# KiCad board H3.kicad_pcb
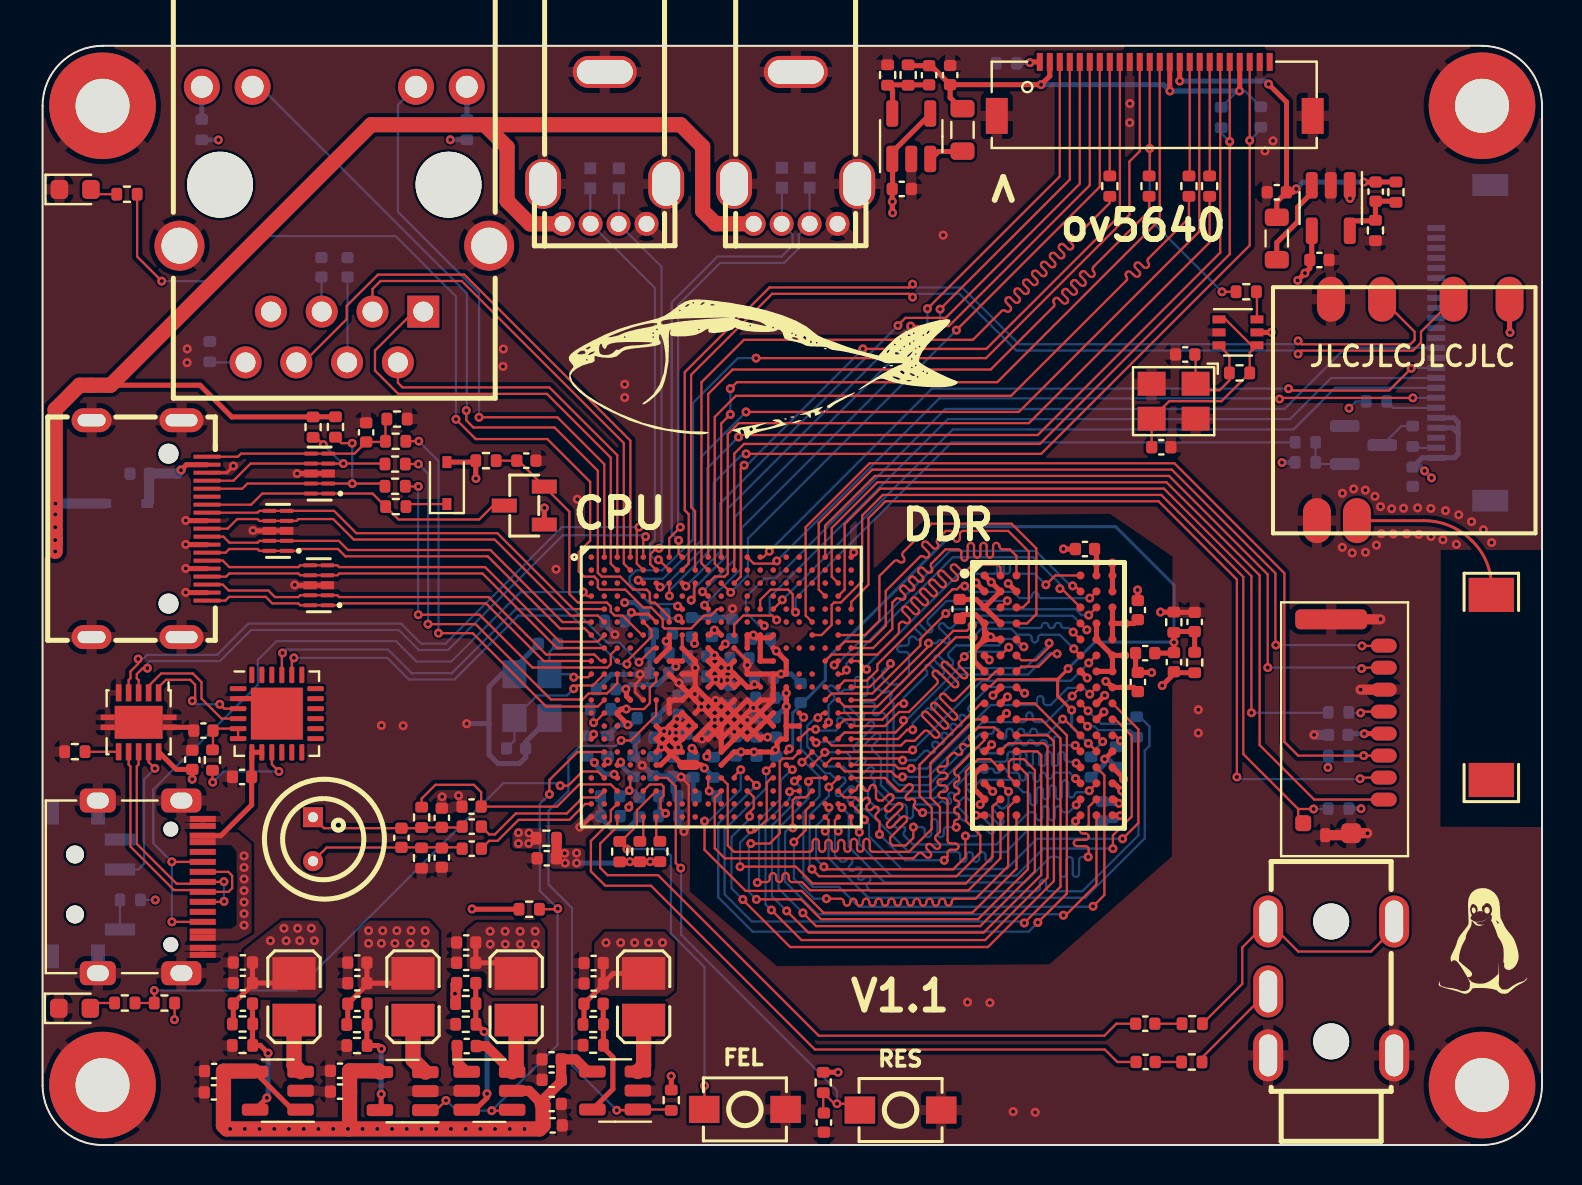
[diagram p0: board, top side]
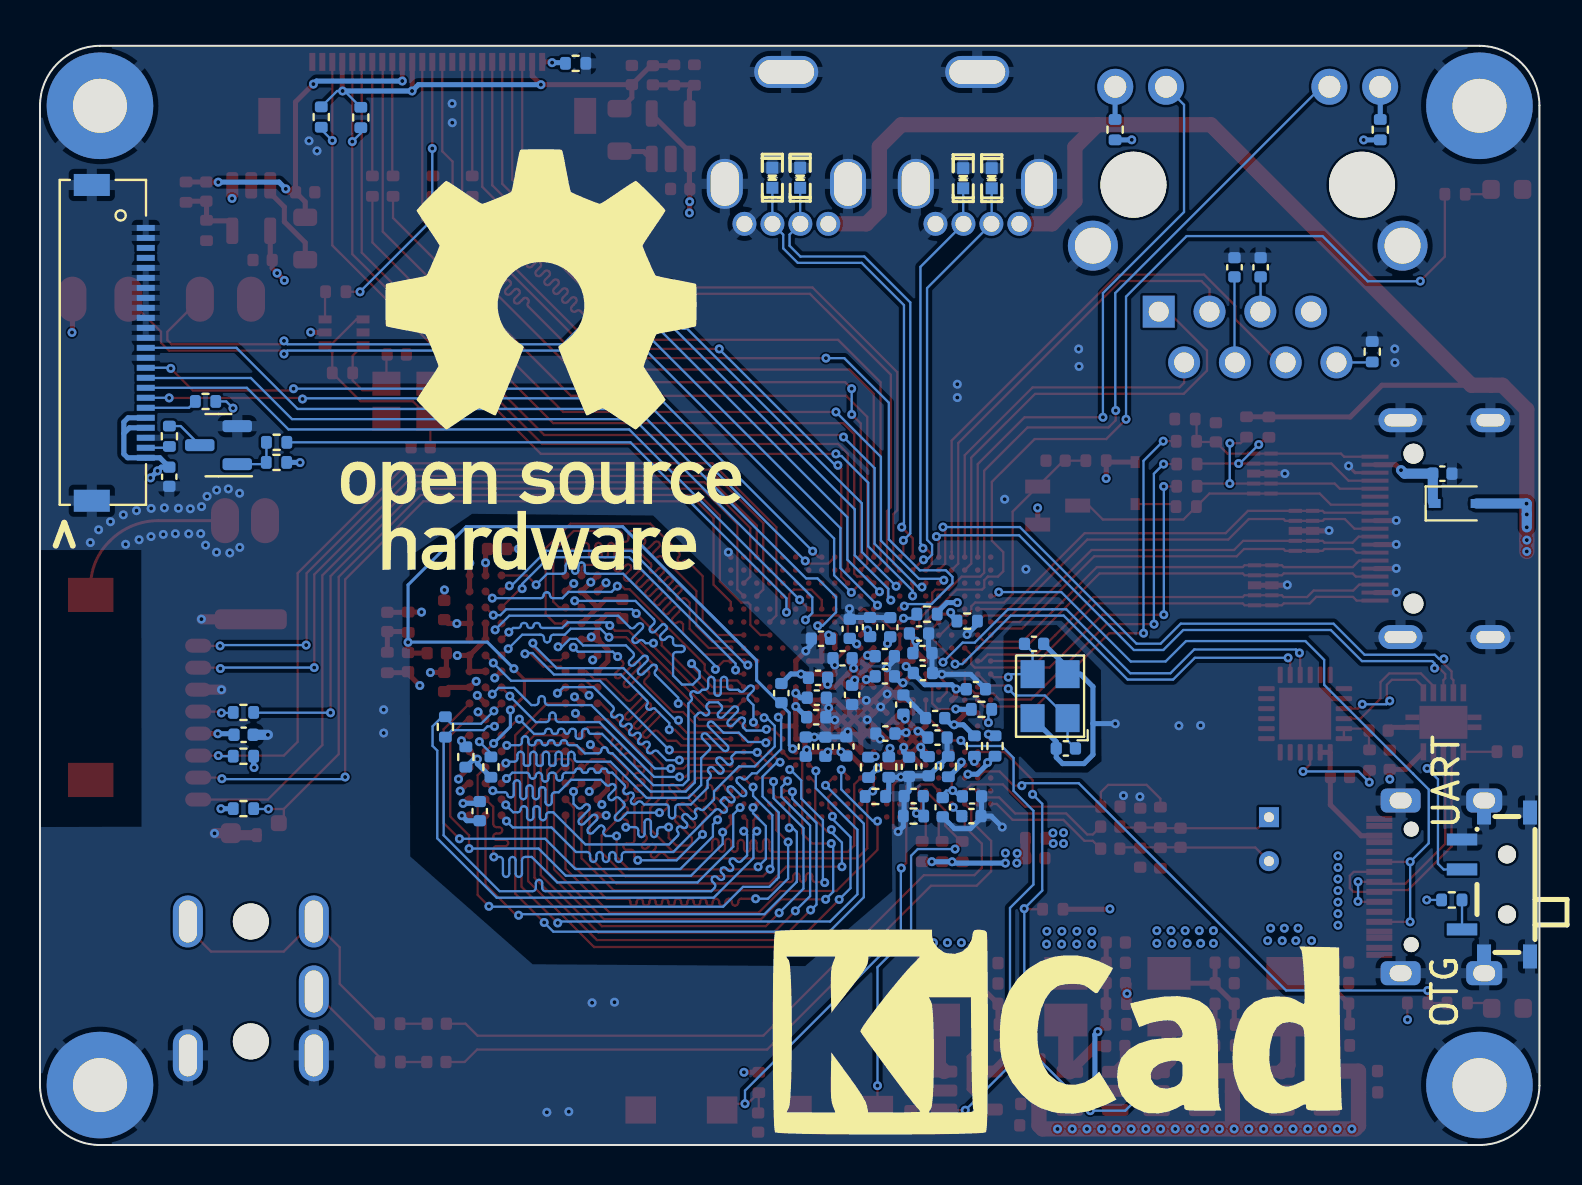
[diagram p1: board, bottom side, seen from below]

Outline 75 x 55 mm; copper layers: Top, GND.Cu (plane), POWER.Cu (plane), Bottom. Coordinates in mm from the lower left corner of the outline.
Outline path: 0,52 0,3 arc(0.88,0.88) 3,0 72,0 arc(74.12,0.88) 75,3 75,52 arc(74.12,54.12) 72,55 3,55 arc(0.88,54.12) 0,52
Stack: Top 0.035mm / dielectric 0.1mm FR4 er 4.5 / GND.Cu 0.0175mm / dielectric 1.265mm FR4 er 4.5 / POWER.Cu 0.0175mm / dielectric 0.1mm FR4 er 4.5 / Bottom 0.035mm

## Placement (name value [footprint] x y rotation side)
4.7K1  4.7k  [R_0402_1005Metric]  66.72 37.21 180 bottom
A1  A  [AN9520-245]  72.35 22.82 90 top
C1  104  [C_0402_1005Metric]  37.92 22.61 90 bottom
C2  104  [C_0402_1005Metric]  55.15 24.61 180 top
C3  10uF  [C_0402_1005Metric]  34.67 19.94 270 bottom
C4  10uF  [C_0402_1005Metric]  54.78 26.77 270 top
C5  104  [C_0402_1005Metric]  56.59 24.16 90 top
C6  104  [C_0402_1005Metric]  57.63 26.17 90 top
C7  1uF  [C_0402_1005Metric]  35.71 19.93 270 bottom
C8  1uF  [C_0402_1005Metric]  52.14 29.82 0 top
C9  1uF  [C_0402_1005Metric]  36.69 19.93 270 bottom
C10  1uF  [C_0402_1005Metric]  45.87 26.82 90 top
C11  104  [C_0402_1005Metric]  36.17 21.41 0 bottom
C12  104  [C_0402_1005Metric]  53.01 16.71 90 bottom
C13  104  [C_0402_1005Metric]  36.15 22.38 0 bottom
C14  104  [C_0402_1005Metric]  54.78 23.17 270 top
C15  104  [C_0402_1005Metric]  28.19 22.81 0 bottom
C16  10uF  [C_0402_1005Metric]  30.11 20.38 0 bottom
C17  1uF  [C_0402_1005Metric]  31.82 22.04 270 bottom
C18  1uF  [C_0402_1005Metric]  30.55 18.96 90 bottom
C19  104  [C_0402_1005Metric]  32.72 20.59 180 bottom
C20  104  [C_0402_1005Metric]  31.53 18.93 90 bottom
C21  10uF  [C_0402_1005Metric]  32.74 24.46 0 bottom
C22  1uF  [C_0402_1005Metric]  32.74 23.45 0 bottom
C23  1uF  [C_0402_1005Metric]  34.86 24.36 180 bottom
C24  104  [C_0402_1005Metric]  36.08 23.38 180 bottom
C25  104  [C_0402_1005Metric]  34.38 22.53 90 bottom
C26  104  [C_0402_1005Metric]  31.03 25.6 0 bottom
C27  10uF  [C_0402_1005Metric]  33.48 25.92 270 bottom
C28  1uF  [C_0402_1005Metric]  28.41 16.46 0 bottom
C29  4.7uF  [C_0402_1005Metric]  31.3 17.46 180 bottom
C30  104  [C_0402_1005Metric]  28.38 17.45 0 bottom
C31  10uF  [C_0402_1005Metric]  29.85 16.9 90 bottom
C32  104  [C_0402_1005Metric]  35.94 25.34 0 bottom
C33  12pf  [C_0402_1005Metric]  23.69 19.84 0 bottom
C34  4.7uF  [C_0402_1005Metric]  34.5 25.83 90 bottom
C35  4.7uF  [C_0402_1005Metric]  30.22 21.36 180 bottom
C36  104  [C_0402_1005Metric]  30.86 24.61 180 bottom
C37  104  [C_0402_1005Metric]  32.47 25.91 90 bottom
C38  4.7uF  [C_0402_1005Metric]  30.84 23.62 180 bottom
C39  12pf  [C_0402_1005Metric]  25.28 25.08 180 bottom
C40  22uF  [C_0402_1005Metric]  8.57 2.64 180 top
C41  22uF  [C_0402_1005Metric]  25.46 3.26 180 top
C42  104  [C_0402_1005Metric]  8.58 3.7 180 top
C43  104  [C_0402_1005Metric]  25.46 4.29 180 top
C44  104  [C_0402_1005Metric]  25.21 14.35 0 top
C45  22pF  [C_0402_1005Metric]  10.02 7.08 180 top
C46  22pF  [C_0402_1005Metric]  27.56 7.06 180 top
C47  22uF  [C_0402_1005Metric]  10.02 8.1 180 top
C48  22uF  [C_0402_1005Metric]  27.56 8.08 180 top
C49  104  [C_0402_1005Metric]  10.02 9.13 180 top
C50  104  [C_0402_1005Metric]  27.56 9.1 180 top
C51  22uF  [C_0402_1005Metric]  14.88 2.67 180 top
C52  104  [C_0402_1005Metric]  14.88 3.71 180 top
C53  22pF  [C_0402_1005Metric]  21.19 8.1 0 top
C54  104  [C_0402_1005Metric]  21.21 4.95 0 top
C55  22pF  [C_0402_1005Metric]  15.74 7.07 180 top
C56  22uF  [C_0402_1005Metric]  15.74 8.1 180 top
C57  104  [C_0402_1005Metric]  25.47 2.06 0 top
C58  104  [C_0402_1005Metric]  15.74 9.13 180 top
C59  22uF  [C_0402_1005Metric]  25.51 0.99 0 top
C60  22uF  [C_0402_1005Metric]  21.19 9.12 180 top
C61  104  [C_0402_1005Metric]  21.19 10.13 180 top
C62  4.7uF  [C_0402_1005Metric]  55.15 6.07 0 top
C63  4.7uF  [C_0402_1005Metric]  55.17 4.16 0 top
C67  104  [C_0402_1005Metric]  39.08 1.12 270 top
C68  104  [C_0402_1005Metric]  7.49 19.28 90 top
C71  1uF  [C_0402_1005Metric]  9.98 18.42 180 top
C72  104  [C_0402_1005Metric]  64.82 20.53 180 bottom
C73  104  [C_0402_1005Metric]  21.47 15.93 180 top
C74  104  [C_0402_1005Metric]  21.47 14.83 180 top
C75  10uF  [C_0402_1005Metric]  21.46 16.93 180 top
C76  0.1uF  [C_0402_1005Metric]  8.04 20.74 0 top
C77  100pF  [C_0402_1005Metric]  19.97 16.38 270 top
C78  100pF  [C_0402_1005Metric]  19.97 14.38 270 top
C79  100pF  [C_0402_1005Metric]  17.95 15.37 270 top
C80  12pf  [C_0402_1005Metric]  57.15 39.55 0 top
C81  12pf  [C_0402_1005Metric]  55.96 34.91 180 top
C82  10uF  [C_0402_1005Metric]  61.73 47.67 180 top
C83  0.1uF  [C_0402_1005Metric]  68.53 33.44 270 bottom
C84  10uF  [C_0402_1005Metric]  45.4 53.54 90 top
C85  22pF  [C_0402_1005Metric]  66.68 47.71 270 top
C86  22pF  [C_0402_1005Metric]  44.34 53.53 270 top
C87  10uF  [C_0402_1005Metric]  63.87 44.28 0 top
C88  10uF  [C_0402_1005Metric]  42.98 47.84 0 top
C89  100pF  [C_0402_1005Metric]  24.2 34.24 0 top
C90  104  [C_0402_1005Metric]  16.18 35.66 90 top
C91  104  [C_0402_1005Metric]  13.95 43.92 270 bottom
C92  104  [C_0402_1005Metric]  15.25 43.92 270 bottom
C93  104  [C_0402_1005Metric]  4.85 33.59 180 bottom
D1  LED  [LED_0603_1608Metric]  1.63 47.81 0 top
D2  LED  [LED_0603_1608Metric]  1.6 6.84 0 top
D3  D_Schottky  [D_SOD-323]  20.22 33.12 90 top
D4  RCLAMP0524P  [DFN2510-10_L2.5-W1.0-P0.50-BL]  13.82 28.01 90 top
D5  RCLAMP0524P  [DFN2510-10_L2.5-W1.0-P0.50-BL]  11.78 30.73 90 top
D6  RCLAMP0524P  [DFN2510-10_L2.5-W1.0-P0.50-BL]  13.86 33.6 90 top
D7  ESD  [ESD_0402]  36.98 48.4 270 bottom
D8  D_Schottky  [D_SOD-323]  4.19 32.1 180 bottom
D9  ESD  [ESD_0402]  38.37 48.4 270 bottom
D10  ESD  [ESD_0402]  28.82 48.37 270 bottom
D11  ESD  [ESD_0402]  27.4 48.37 270 bottom
DU1  DDR3  [FBGA_96]  50.44 23.41 0 top
F1  FPC_24  [FPC_24_0.5]  55.6 52.68 0 top
F2  FPC_24  [FPC_24_0.5]  71.22 40.16 270 bottom
G***  -  [LOGO]  72.02 10.26 0 top
G***#2  -  [LOGO]  35.73 39.05 0 top
G***#3  -  [LOGO]  24.2 6.21 180 bottom
G***#4  -  [LOGO]  49.94 39.29 180 bottom
HDMI1  HDMI  [HDMI-SMD]  5.34 30.84 270 top
J1  PJ313D  [AUDIO-TH_PJ313D]  64.45 7.84 90 top
J2  HY911105AE  [RJ45-TH_HR911105A]  14.59 46.06 180 top
L1  2.2uH  [L2.2uh 2A]  12.58 7.42 90 top
L2  2.2uH  [L2.2uh 2A]  30.06 7.42 90 top
L3  2.2uH  [L2.2uh 2A]  18.53 7.42 90 top
L4  2.2uH  [L2.2uh 2A]  23.69 7.42 90 top
L5  2.2uH  [L_0805_2012Metric]  61.73 45.36 270 top
L6  2.2uH  [L_0805_2012Metric]  46.01 50.79 270 top
MIC1  MIC  [MIC-TH_BD4.0-P1.40-D0.3-L]  13.53 15.3 90 top
NOREF  -  [unnamed]  72 51.99 0 top
NOREF#2  -  [unnamed#2]  3.02 3.15 0 top
NOREF#3  -  [unnamed#3]  2.96 51.82 0 top
NOREF#4  -  [unnamed#4]  72.06 2.91 0 top
Q1  S8050  [SOT-23]  66.07 35.02 0 bottom
Q2  BSN20_C558103  [SOT-23-3_L2.9-W1.3-P1.90-LS2.4-BR]  24.09 32 0 top
R1  240  [R_0402_1005Metric]  33.22 17.44 180 bottom
R2  240  [R_0402_1005Metric]  52.44 18.91 270 bottom
R3  240  [R_0402_1005Metric]  53.7 19.42 270 bottom
R4  100  [R_0402_1005Metric]  54.72 20.92 270 bottom
R5  2K  [R_0402_1005Metric]  57.63 24.14 90 top
R6  2K  [R_0402_1005Metric]  56.58 26.16 90 top
R7  0  [R_0402_1005Metric]  29.57 18.94 270 bottom
R8  NC  [R_0402_1005Metric]  33.56 18.9 270 bottom
R9  0  [R_0402_1005Metric]  32.55 18.91 90 bottom
R10  47K  [R_0402_1005Metric]  27.23 19.96 90 bottom
R11  47K  [R_0402_1005Metric]  27.91 21.8 180 bottom
R12  47K  [R_0402_1005Metric]  28.26 19.96 270 bottom
R13  6K  [R_0402_1005Metric]  28.62 26.22 0 bottom
R14  220K  [R_0402_1005Metric]  31.31 16.46 180 bottom
R15  47K  [R_0402_1005Metric]  30.87 14.69 90 top
R16  100K  [R_0402_1005Metric]  29.88 14.68 90 top
R17  10K  [R_0402_1005Metric]  31.45 2.24 270 top
R18  0  [R_0402_1005Metric]  25.2 15.35 0 top
R19  450K  [R_0402_1005Metric]  10 6.06 0 top
R20  100k  [R_0402_1005Metric]  10 4.99 180 top
R21  150K  [R_0402_1005Metric]  27.54 6.04 0 top
R22  100k  [R_0402_1005Metric]  27.54 5 180 top
R23  10K  [R_0402_1005Metric]  24.34 11.8 0 top
R24  100K  [R_0402_1005Metric]  21.17 7.08 0 top
R25  80K  [R_0402_1005Metric]  21.17 6.04 180 top
R26  100K  [R_0402_1005Metric]  15.72 6.03 0 top
R27  100k  [R_0402_1005Metric]  15.72 4.98 180 top
R28  2  [R_0402_1005Metric]  30.63 26.56 0 bottom
R29  30K  [R_0402_1005Metric]  57.5 6.07 0 top
R30  10k  [R_0402_1005Metric]  6.1 7.1 0 top
R31  10K  [R_0402_1005Metric]  28.87 14.68 90 top
R32  1M  [R_0402_1005Metric]  39.05 3.13 270 top
R33  30K  [R_0402_1005Metric]  57.48 4.16 0 top
R34  10K  [R_0402_1005Metric]  4.38 12.26 180 bottom
R35  10K  [R_0402_1005Metric]  4.11 7.11 180 top
R36  10K  [R_0402_1005Metric]  4.22 47.58 180 top
R37  NC  [R_0402_1005Metric]  48.21 54.12 180 bottom
R38  1K  [R_0402_1005Metric]  1.61 19.68 180 top
R41  33  [R_0402_1005Metric]  64.82 21.65 0 bottom
R42  47K  [R_0402_1005Metric]  64.82 19.46 0 bottom
R43  47K  [R_0402_1005Metric]  64.82 16.83 180 bottom
R44  4.7K  [R_0402_1005Metric]  8.5 19.26 270 top
R45  2K  [R_0402_1005Metric]  18.96 16.4 270 top
R46  2K  [R_0402_1005Metric]  18.96 14.36 270 top
R47  10k  [R_0402_1005Metric]  63.17 34.16 0 bottom
R48  1k  [R_0402_1005Metric]  63.16 35.16 0 bottom
R49  5.1M  [R_0402_1005Metric]  59.87 38.63 180 top
R50  10  [R_0402_1005Metric]  68.53 35.46 270 bottom
R51  150K  [R_0402_1005Metric]  67.69 47.68 270 top
R52  22/NC  [R_0402_1005Metric]  55.35 47.98 90 top
R53  22  [R_0402_1005Metric]  53.38 47.98 90 top
R54  10K  [R_0402_1005Metric]  60.93 51.44 270 bottom
R55  10K  [R_0402_1005Metric]  58.95 51.41 270 bottom
R56  22  [R_0402_1005Metric]  58.37 47.98 90 top
R57  22  [R_0402_1005Metric]  57.34 47.98 90 top
R58  100K  [R_0402_1005Metric]  43.29 53.54 270 top
R59  0/NC  [R_0402_1005Metric]  60.21 42.7 180 top
R60  100K  [R_0402_1005Metric]  66.67 45.76 270 top
R61  27K  [R_0402_1005Metric]  42.27 53.54 90 top
R62  2K  [R_0402_1005Metric]  22.18 34.24 0 top
R63  1K  [R_0402_1005Metric]  17.66 35.21 180 top
R64  22  [R_0402_1005Metric]  17.63 32.96 180 top
R65  22  [R_0402_1005Metric]  17.63 34.07 180 top
R66  1.8K  [R_0402_1005Metric]  14.65 35.93 270 top
R67  10K  [R_0402_1005Metric]  17.73 36.32 180 top
R68  1.8K  [R_0402_1005Metric]  13.53 35.92 270 top
R69  3.6K  [R_0402_1005Metric]  17.67 31.95 180 top
R70  1M  [R_0402_1005Metric]  8.36 39.69 270 bottom
R71  1K  [R_0402_1005Metric]  21.22 50.8 90 bottom
R72  1K  [R_0402_1005Metric]  7.96 50.8 90 bottom
SW1  SW  [SW-SMD_L4.0-W2.9-LS5.0]  42.92 1.75 0 top
SW2  MSK12C02  [SW-TH_MSK12C02]  1.62 12.97 90 bottom
SW3  SW  [SW-SMD_L4.0-W2.9-LS5.0]  35.13 1.78 0 top
U1  Allwinner_H3  [H3]  34.02 23.43 0 top
U2  SY8089A  [SOT-23-5]  11.77 2.72 180 top
U3  SY8089A  [SOT-23-5]  28.64 2.73 180 top
U4  SY8089A  [SOT-23-5]  18.01 2.7 180 top
U5  SY8113B  [SOT-23-6]  22.35 2.71 0 top
U6  TSUSB221DRCR  [VSON-10-1EP_3x3mm_P0.5mm_EP1.65x2.4mm]  4.81 21.12 270 top
U7  TYPE-C-31-M-12_母座  [typec 12]  4.73 13.17 270 top
U9  Micro_SD_Card  [TF-SOCKET - short]  63.86 20.8 180 top
U10  CP2104  [QFN-24-1EP_4x4mm_P0.5mm_EP2.6x2.6mm]  11.72 21.59 0 top
U11  NL27WZU04DFT2G  [SOT-363_SC-70-6]  59.79 40.66 0 top
U12  SY8088IAAC  [SOT-23-5]  64.43 46.88 270 top
U13  SY8088IAAC  [SOT-23-5]  43.45 50.48 90 top
U14  RTL8188ETV  [USB-WIFI-ANT]  68.04 36.81 270 top
USB1  USBA  [USB-A-TH_USB-M-45]  37.67 49.89 180 top
USB2  USBA  [USB-A-TH_USB-M-45]  28.11 49.89 180 top
Y1  24M  [X322512MSB4S]  24.48 22.46 90 bottom
Y2  24M  [X322512MSB4S]  56.57 37.22 180 top

## Library data of the parts
SW2 = -: SuppliersPartNumber: C431540

## Footprints (pads in the part's own frame, mm; a bottom-side part is the same pattern mirrored in y, then rotated)
AN9520-245
  rect 1.71x2.268 smd: 1(-4.556,-0.116) 2(4.704,-0.116)
AUDIO-TH_PJ313D
  round 1.8 hole 1.8 unplated: (-2.65,0) (3.35,0)
  oval 2.6x1.5 hole 2.1x0.9: 2(-3.35,3.15) 2(-3.35,-3.15) 3(-0.15,3.15) 4(3.35,3.15) 4(3.35,-3.15)
C_0402_1005Metric
  rrect 0.56x0.62 smd: 1(-0.48,0) 2(0.48,0)
D_SOD-323
  rect 0.6x0.45 smd: 1(-1.05,0) 2(1.05,0)
DFN2510-10_L2.5-W1.0-P0.50-BL
  rect 0.2x0.665 smd: 1(-1,-0.433) 2(-0.5,-0.433) 4(0.5,-0.433) 5(1,-0.433) 6(1,0.433) 7(0.5,0.433) 9(-0.5,0.433) 10(-1,0.433)
  rect 0.4x0.665 smd: 3(0,-0.433) 8(0,0.433)
ESD_0402
  rect 0.6x0.6 smd: 1(-0.5,0) 2(0.5,0)
FBGA_96
  round 0.4 smd: A1(-3.33,5.09) A2(-2.53,5.09) A3(-1.73,5.09) A7(1.47,5.09) A8(2.27,5.09) A9(3.07,5.09) B1(-3.33,4.29) B2(-2.53,4.29) B3(-1.73,4.29) B7(1.47,4.29) B8(2.27,4.29) B9(3.07,4.29) C1(-3.33,3.49) C2(-2.53,3.49) C3(-1.73,3.49) C7(1.47,3.49) C8(2.27,3.49) C9(3.07,3.49) D1(-3.33,2.69) D2(-2.53,2.69) D3(-1.73,2.69) D7(1.47,2.69) D8(2.27,2.69) D9(3.07,2.69) E1(-3.33,1.89) E2(-2.53,1.89) E3(-1.73,1.89) E7(1.47,1.89) E8(2.27,1.89) E9(3.07,1.89) F1(-3.33,1.09) F2(-2.53,1.09) F3(-1.73,1.09) F7(1.47,1.09) F8(2.27,1.09) F9(3.07,1.09) G1(-3.33,0.29) G2(-2.53,0.29) G3(-1.73,0.29) G7(1.47,0.29) G8(2.27,0.29) G9(3.07,0.29) H1(-3.33,-0.51) H2(-2.53,-0.51) H3(-1.73,-0.51) H7(1.47,-0.51) H8(2.27,-0.51) H9(3.07,-0.51) J1(-3.33,-1.31) J2(-2.53,-1.31) J3(-1.73,-1.31) J7(1.47,-1.31) J8(2.27,-1.31) J9(3.07,-1.31) K1(-3.33,-2.11) K2(-2.53,-2.11) K3(-1.73,-2.11) K7(1.47,-2.11) K8(2.27,-2.11) K9(3.07,-2.11) L1(-3.33,-2.91) L2(-2.53,-2.91) L3(-1.73,-2.91) L7(1.47,-2.91) L8(2.27,-2.91) L9(3.07,-2.91) M1(-3.33,-3.71) M2(-2.53,-3.71) M3(-1.73,-3.71) M7(1.47,-3.71) M8(2.27,-3.71) M9(3.07,-3.71) N1(-3.33,-4.51) N2(-2.53,-4.51) N3(-1.73,-4.51) N7(1.47,-4.51) N8(2.27,-4.51) N9(3.07,-4.51) P1(-3.33,-5.31) P2(-2.53,-5.31) P3(-1.73,-5.31) P7(1.47,-5.31) P8(2.27,-5.31) P9(3.07,-5.31) R1(-3.33,-6.11) R2(-2.53,-6.11) R3(-1.73,-6.11) R7(1.47,-6.11) R8(2.27,-6.11) R9(3.07,-6.11) T1(-3.33,-6.91) T2(-2.53,-6.91) T3(-1.73,-6.91) T7(1.47,-6.91) T8(2.27,-6.91) T9(3.07,-6.91)
FPC_24_0.5
  rect 1.1x1.8 smd: 0(-7.875,-1.188) 0(7.925,-1.188)
  rect 0.3x0.9 smd: 1(-5.725,1.512) 2(-5.225,1.512) 3(-4.725,1.512) 4(-4.225,1.512) 5(-3.725,1.512) 6(-3.225,1.512) 7(-2.725,1.512) 8(-2.225,1.512) 9(-1.725,1.512) 10(-1.225,1.512) 11(-0.725,1.512) 12(-0.225,1.512) 13(0.275,1.512) 14(0.775,1.512) 15(1.275,1.512) 16(1.775,1.512) 17(2.275,1.512) 18(2.775,1.512) 19(3.275,1.512) 20(3.775,1.512) 21(4.275,1.512) 22(4.775,1.512) 23(5.275,1.512) 24(5.775,1.512)
H3
  round 0.279 smd: A1(-6.571,5.991) A2(-5.921,5.991) A3(-5.27,5.991) A4(-4.62,5.991) A5(-3.97,5.991) A7(-2.672,5.991) A8(-2.022,5.991) A10(-0.721,5.991) A11(-0.071,5.991) A13(1.23,5.991) A14(1.88,5.991) A16(3.18,5.991) A17(3.828,5.991) A19(5.128,5.991) A20(5.779,5.991) A21(6.429,5.991) AA1(-6.571,-7.009) AA2(-5.921,-7.009) AA3(-5.27,-7.009) AA5(-3.97,-7.009) AA6(-3.322,-7.009) AA8(-2.022,-7.009) AA9(-1.372,-7.009) AA11(-0.071,-7.009) AA12(0.579,-7.009) AA14(1.88,-7.009) AA15(2.53,-7.009) AA17(3.828,-7.009) AA18(4.478,-7.009) AA19(5.128,-7.009) AA20(5.779,-7.009) AA21(6.429,-7.009) B1(-6.571,5.341) B2(-5.921,5.341) B3(-5.27,5.341) B4(-4.62,5.341) B5(-3.97,5.341) B6(-3.322,5.341) B7(-2.672,5.341) B8(-2.022,5.341) B9(-1.372,5.341) B10(-0.721,5.341) B11(-0.071,5.341) B12(0.579,5.341) B13(1.23,5.341) B14(1.88,5.341) B15(2.53,5.341) B16(3.18,5.341) B17(3.828,5.341) B18(4.478,5.341) B19(5.128,5.341) B20(5.779,5.341) B21(6.429,5.341) C1(-6.571,4.69) C2(-5.921,4.69) C3(-5.27,4.69) C5(-3.97,4.69) C6(-3.322,4.69) C7(-2.672,4.69) C8(-2.022,4.69) C9(-1.372,4.69) C10(-0.721,4.69) C11(-0.071,4.69) C12(0.579,4.69) C13(1.23,4.69) C14(1.88,4.69) C15(2.53,4.69) C16(3.18,4.69) C17(3.828,4.69) C18(4.478,4.69) C19(5.128,4.69) C20(5.779,4.69) C21(6.429,4.69) D1(-6.571,4.04) D2(-5.921,4.04) D3(-5.27,4.04) D5(-3.97,4.04) D6(-3.322,4.04) D8(-2.022,4.04) D10(-0.721,4.04) D11(-0.071,4.04) D13(1.23,4.04) D15(2.53,4.04) D17(3.828,4.04) D19(5.128,4.04) D20(5.779,4.04) E2(-5.921,3.39) E3(-5.27,3.39) E8(-2.022,3.39) E10(-0.721,3.39) E11(-0.071,3.39) E13(1.229,3.39) E14(1.88,3.39) E15(2.53,3.39) E16(3.18,3.39) E18(4.478,3.39) E19(5.128,3.39) E20(5.779,3.39) E21(6.429,3.39) F1(-6.571,2.742) F2(-5.921,2.742) F3(-5.27,2.742) F5(-3.97,2.742) F6(-3.322,2.742) F7(-2.672,2.742) F8(-2.022,2.742) F10(-0.721,2.742) F11(-0.071,2.742) F13(1.229,2.742) F14(1.88,2.742) F16(3.18,2.742) F17(3.828,2.742) F18(4.478,2.742) F19(5.128,2.742) F20(5.779,2.742) F21(6.429,2.742) G1(-6.571,2.092) G2(-5.921,2.092) G4(-4.62,2.092) G5(-3.97,2.092) G7(-2.672,2.092) G8(-2.022,2.092) G9(-1.372,2.092) G10(-0.721,2.092) G11(-0.071,2.092) G12(0.579,2.092) G13(1.23,2.092) G14(1.88,2.092) G15(2.53,2.092) G18(4.478,2.092) G20(5.779,2.092) H2(-5.921,1.442) H3(-5.27,1.442) H4(-4.62,1.442) H6(-3.322,1.442) H7(-2.672,1.442) H8(-2.022,1.442) H10(-0.721,1.442) H11(-0.071,1.442) H12(0.579,1.442) H13(1.23,1.442) H14(1.88,1.442) H15(2.53,1.442) H16(3.18,1.442) H17(3.828,1.442) H18(4.478,1.442) H19(5.128,1.442) H20(5.779,1.442) H21(6.429,1.442) J1(-6.571,0.792) J2(-5.921,0.792) J3(-5.27,0.792) J6(-3.322,0.791) J7(-2.672,0.792) J8(-2.022,0.792) J9(-1.372,0.792) J10(-0.721,0.792) J11(-0.071,0.791) J12(0.579,0.792) J13(1.23,0.792) J14(1.88,0.792) J15(2.53,0.792) J16(3.18,0.791) J19(5.128,0.792) J20(5.779,0.792) J21(6.429,0.792) K1(-6.571,0.141) K2(-5.921,0.141) K3(-5.27,0.141) K4(-4.62,0.141) K6(-3.322,0.141) K7(-2.672,0.141) K8(-2.022,0.141) K9(-1.372,0.141) K10(-0.721,0.141) K11(-0.071,0.141) K12(0.579,0.141) K13(1.23,0.141) K14(1.88,0.141) K15(2.53,0.141) K16(3.18,0.141) K17(3.828,0.141) K18(4.478,0.141) K20(5.779,0.141) L2(-5.921,-0.509) L5(-3.97,-0.509) L8(-2.022,-0.509) L9(-1.371,-0.509) L10(-0.721,-0.509) L11(-0.071,-0.509) L12(0.579,-0.509) L13(1.229,-0.509) L14(1.88,-0.509) L15(2.53,-0.509) L16(3.18,-0.509) L17(3.828,-0.509) L18(4.478,-0.509) L19(5.128,-0.509) L20(5.779,-0.509) L21(6.429,-0.509) M1(-6.571,-1.159) M2(-5.921,-1.159) M3(-5.27,-1.159) M4(-4.62,-1.159) M5(-3.97,-1.159) M6(-3.322,-1.159) M7(-2.672,-1.159) M8(-2.022,-1.159) M9(-1.372,-1.159) M10(-0.721,-1.159) M11(-0.071,-1.159) M12(0.579,-1.159) M13(1.23,-1.159) M14(1.88,-1.159) M15(2.53,-1.159) M16(3.18,-1.159) M19(5.128,-1.159) M20(5.779,-1.159) M21(6.429,-1.159) N1(-6.571,-1.81) N2(-5.921,-1.81) N3(-5.27,-1.81) N7(-2.672,-1.81) N8(-2.022,-1.81) N9(-1.372,-1.81) N10(-0.721,-1.81) N11(-0.071,-1.809) N12(0.579,-1.81) N13(1.23,-1.81) N14(1.88,-1.81) N15(2.53,-1.81) N16(3.18,-1.809) N17(3.828,-1.809) N19(5.128,-1.81) N20(5.779,-1.81) P2(-5.921,-2.46) P3(-5.27,-2.46) P6(-3.322,-2.46) P7(-2.672,-2.46) P8(-2.022,-2.46) P9(-1.372,-2.46) P10(-0.721,-2.46) P11(-0.071,-2.46) P12(0.579,-2.46) P13(1.23,-2.46) P14(1.88,-2.46) P15(2.53,-2.46) P16(3.18,-2.46) P17(3.828,-2.46) P19(5.128,-2.46) P20(5.779,-2.46) P21(6.429,-2.46) R1(-6.571,-3.11) R2(-5.921,-3.11) R6(-3.322,-3.11) R7(-2.672,-3.11) R8(-2.022,-3.11) R9(-1.372,-3.11) R10(-0.721,-3.11) R11(-0.071,-3.11) R12(0.579,-3.11) R13(1.23,-3.11) R14(1.88,-3.11) R16(3.18,-3.11) R17(3.828,-3.11) R18(4.478,-3.11) R19(5.128,-3.11) R20(5.779,-3.11) R21(6.429,-3.11) T2(-5.921,-3.76) T3(-5.27,-3.76) T4(-4.62,-3.76) T5(-3.97,-3.76) T6(-3.322,-3.76) T7(-2.672,-3.76) T8(-2.022,-3.76) T9(-1.371,-3.76) T10(-0.721,-3.76) T11(-0.071,-3.76) T12(0.579,-3.76) T13(1.229,-3.76) T14(1.88,-3.76) T15(2.53,-3.76) T16(3.18,-3.76) T17(3.828,-3.76) T18(4.478,-3.76) T20(5.779,-3.76) U2(-5.921,-4.408) U3(-5.27,-4.408) U4(-4.62,-4.408) U6(-3.322,-4.408) U9(-1.371,-4.408) U11(-0.071,-4.408) U15(2.53,-4.408) U16(3.18,-4.408) U18(4.478,-4.408) U19(5.128,-4.408) U20(5.779,-4.408) U21(6.429,-4.408) V1(-6.571,-5.058) V2(-5.921,-5.058) V3(-5.27,-5.058) V4(-4.62,-5.058) V5(-3.97,-5.058) V6(-3.322,-5.058) V10(-0.721,-5.058) V11(-0.071,-5.058) V12(0.579,-5.058) V13(1.23,-5.058) V15(2.53,-5.058) V17(3.828,-5.058) V19(5.128,-5.058) V20(5.779,-5.058) V21(6.429,-5.058) W1(-6.571,-5.708) W2(-5.921,-5.708) W3(-5.27,-5.708) W5(-3.97,-5.708) W6(-3.322,-5.708) W9(-1.372,-5.708) W11(-0.071,-5.708) W12(0.579,-5.708) W13(1.23,-5.708) W15(2.53,-5.708) W17(3.828,-5.708) W18(4.478,-5.708) W20(5.779,-5.708) W21(6.429,-5.708) Y1(-6.571,-6.359) Y2(-5.921,-6.359) Y3(-5.27,-6.359) Y4(-4.62,-6.359) Y7(-2.672,-6.359) Y8(-2.022,-6.359) Y9(-1.372,-6.359) Y10(-0.721,-6.359) Y11(-0.071,-6.359) Y12(0.579,-6.359) Y13(1.23,-6.359) Y14(1.88,-6.359) Y15(2.53,-6.359) Y16(3.18,-6.359) Y17(3.828,-6.359) Y18(4.478,-6.359) Y19(5.128,-6.359) Y20(5.779,-6.359) Y21(6.429,-6.359)
HDMI-SMD
  round 1 hole 1 unplated: (-3.75,0.962) (3.75,0.962)
  rect 0.2x1.35 smd: 1(3.6,2.887) 2(3.2,2.887) 3(2.8,2.887) 4(2.4,2.887) 5(2,2.887) 6(1.6,2.887) 7(1.2,2.887) 8(0.8,2.887) 9(0.4,2.887) 10(0,2.887) 11(-0.4,2.887) 12(-0.8,2.887) 13(-1.2,2.887) 14(-1.6,2.887) 15(-2,2.887) 16(-2.4,2.887) 17(-2.8,2.887) 18(-3.2,2.887) 19(-3.6,2.887)
  oval 1.2x2.2 hole 0.61x1.6: 20(-5.425,1.612) 20(5.425,1.612)
  oval 1.2x2 hole 0.61x1.4: 20(-5.425,-2.887) 20(5.425,-2.887)
L2.2uh 2A
  rect 1.635x2.16 smd: 1(-1.168,0) 2(1.168,0)
L_0805_2012Metric
  rrect 0.875x1.2 smd: 1(-1.062,0) 2(1.062,0)
LED_0603_1608Metric
  rrect 0.875x0.95 smd: 1(-0.787,0) 2(0.787,0)
MIC-TH_BD4.0-P1.40-D0.3-L
  rect 1x1 hole 0.5: 1(1.1,0)
  round 1 hole 0.5: 2(-1.1,0)
QFN-24-1EP_4x4mm_P0.5mm_EP2.6x2.6mm
  rrect 1.05x1.05 smd: (-0.65,0.65) (-0.65,-0.65) (0.65,0.65) (0.65,-0.65)
  rrect 0.825x0.25 smd: 1(-1.938,1.25) 2(-1.938,0.75) 3(-1.938,0.25) 4(-1.938,-0.25) 5(-1.938,-0.75) 6(-1.938,-1.25) 13(1.938,-1.25) 14(1.938,-0.75) 15(1.938,-0.25) 16(1.938,0.25) 17(1.938,0.75) 18(1.938,1.25)
  rrect 0.25x0.825 smd: 7(-1.25,-1.938) 8(-0.75,-1.938) 9(-0.25,-1.938) 10(0.25,-1.938) 11(0.75,-1.938) 12(1.25,-1.938) 19(1.25,1.938) 20(0.75,1.938) 21(0.25,1.938) 22(-0.25,1.938) 23(-0.75,1.938) 24(-1.25,1.938)
  rect 2.6x2.6 smd: 25(0,0)
R_0402_1005Metric
  rrect 0.54x0.64 smd: 1(-0.51,0) 2(0.51,0)
RJ45-TH_HR911105A
  round 3.3 hole 3.3 unplated: (-5.715,-1.995) (5.715,-1.995)
  rect 1.6x1.6 hole 1: 1(-4.45,4.355)
  round 1.6 hole 1: 2(-3.18,6.895) 3(-1.91,4.355) 4(-0.64,6.895) 5(0.63,4.355) 6(1.9,6.895) 7(3.17,4.355) 8(4.44,6.895)
  round 1.8 hole 1.1: 9(-6.625,-6.895) 10(-4.085,-6.895) 11(4.085,-6.895) 12(6.625,-6.895)
  round 2.5 hole 1.8: SH1(-7.745,1.055) SH2(7.745,1.055)
SOT-23
  rrect 1.475x0.6 smd: 1(-0.938,0.95) 2(-0.938,-0.95) 3(0.938,0)
SOT-23-3_L2.9-W1.3-P1.90-LS2.4-BR
  rect 1.25x0.701 smd: 1(1.001,-0.95) 2(1.001,0.95) 3(-1.001,0)
SOT-23-5
  rrect 1.325x0.6 smd: 1(-1.137,0.95) 2(-1.137,0) 3(-1.137,-0.95) 4(1.137,-0.95) 5(1.137,0.95)
SOT-23-6
  rrect 1.325x0.6 smd: 1(-1.137,0.95) 2(-1.137,0) 3(-1.137,-0.95) 4(1.137,-0.95) 5(1.137,0) 6(1.137,0.95)
SOT-363_SC-70-6
  rect 0.65x0.4 smd: 1(-0.95,0.65) 2(-0.95,0) 3(-0.95,-0.65) 4(0.95,-0.65) 5(0.95,0) 6(0.95,0.65)